# Allegro board WeChat_ZM_PART_20200601.brd (continued)
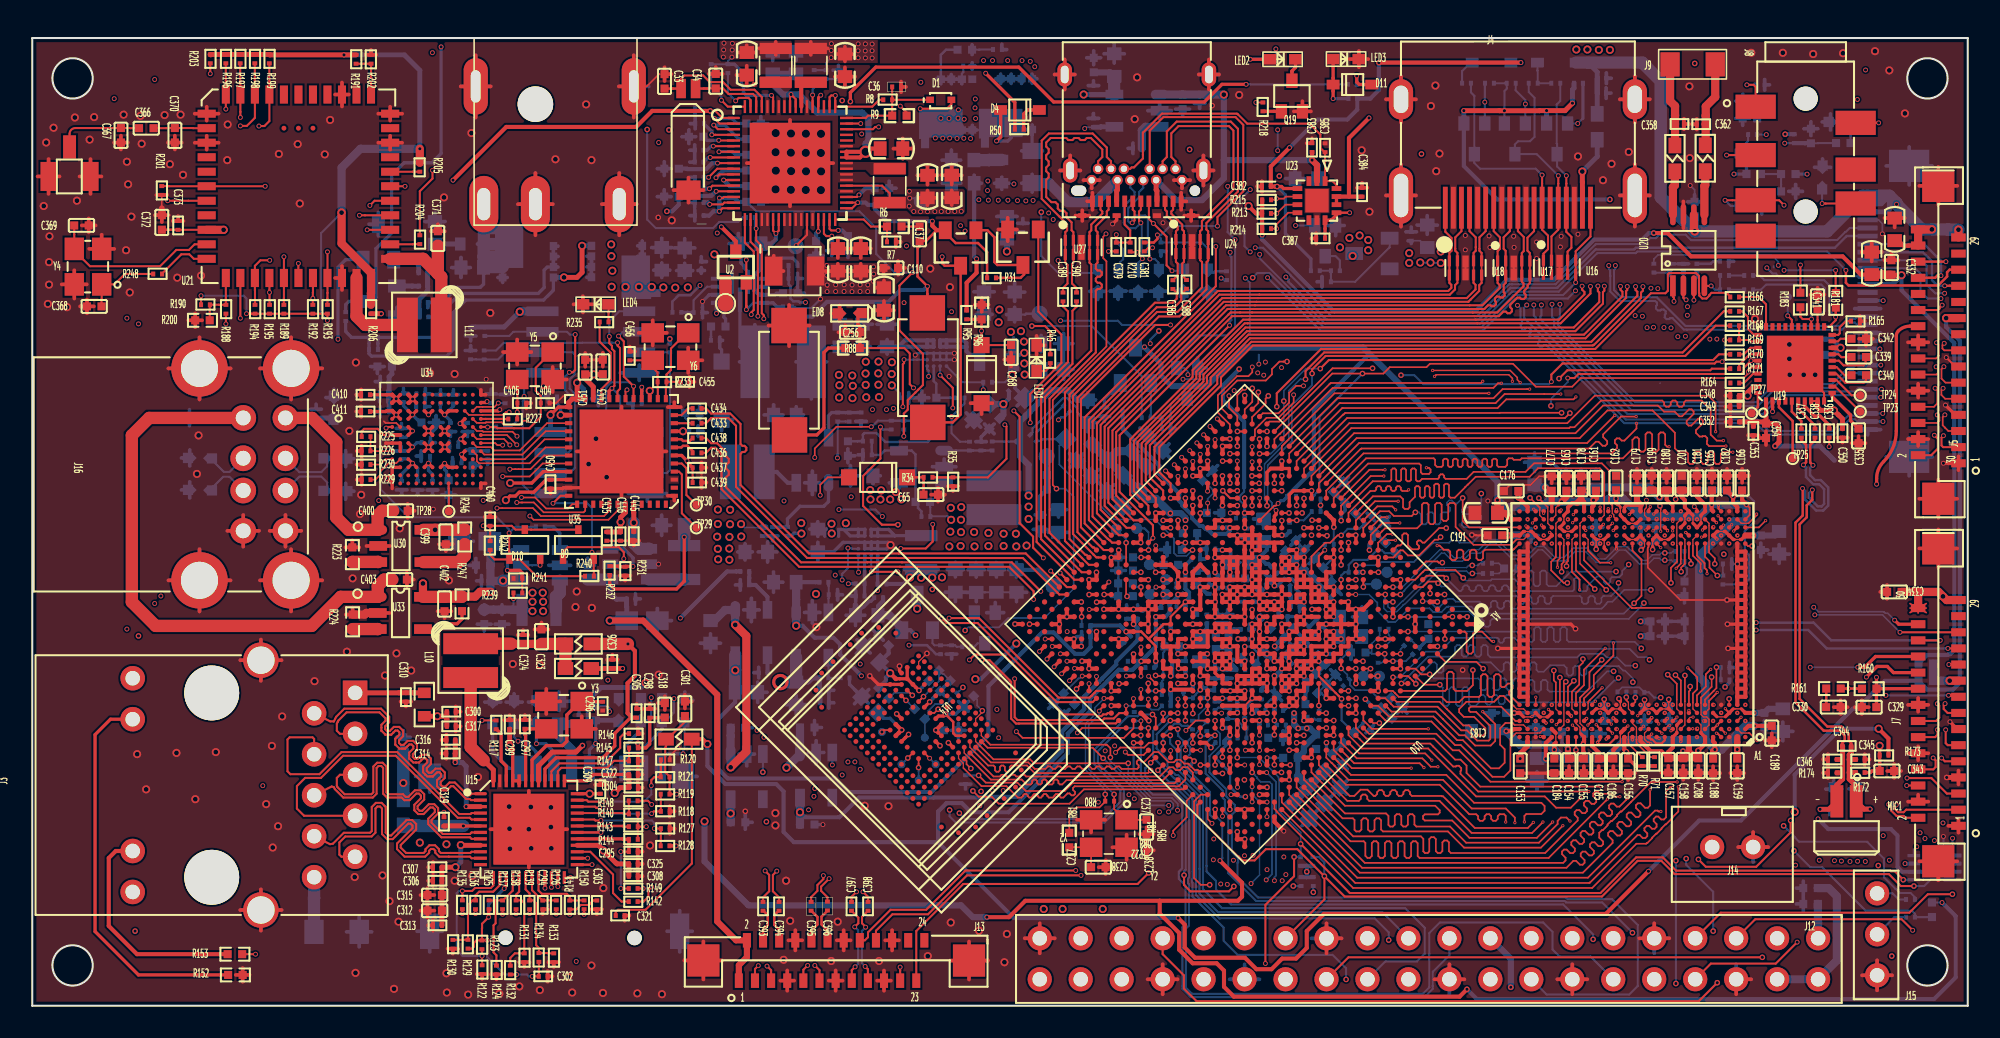
[diagram p0: board, top side]
## Routing (per net, layer and track width the routed paths; a pad name or vN(x,y) marks a point on that pad's centre or on a via; arc(x,y) is an arc through that point) (continued)
N64224465: length 5.5
  BOTTOM w0.203: U3.E4 53.09,29.53 53.48,29.14 ; U3.E4 U3.D4 ; U3.E4 U3.E3 U3.D3 U3.D4 ; 53.48,29.14 53.46,29.13 U3.D4 ; 53.48,29.14 L5.1
N64224516: length 2.5
  BOTTOM w0.203: U3.A2 51.62,27.58 51.6,27.57 R10.2 51.6,25.77 51.6,25.77 C46.1 51.6,25.39
N64225662: length 5.6
  BOTTOM w0.254: 57.92,40.86 57.92,40.86 U8.D4 ; 57.92,40.86 57.92,40.58 58.14,40.36 L8.1 ; 57.92,40.86 57.92,41.09 57.75,41.26 U8.E4 ; U8.D4 U8.D3 U8.E3 U8.E4 ; U8.D4 U8.E4
N64225710: length 3.2
  BOTTOM w0.152: R32.2 56.92,37.69 56.91,37.7 C66.1 56.06,38.56 55.88,38.74 U8.A2
N64226582: length 5.6
  BOTTOM w0.203: C45.1 46.44,29.68 46.45,29.68 R12.2 46.82,30.19 47.6,30.97 49.07,30.97 49.37,31.26 U4.1
N64226598: length 3.5
  BOTTOM w0.203: U4.5 49.37,36 49.36,36.01 49.36,36.57 49.57,36.78 C42.2 50.39,36.78 50.4,36.78 R11.2 51.12,36.78 51.13,36.78 R14.1
N64226636: length 2.3
  BOTTOM w0.254: L6.1 46.16,33.1 46.84,32.42 U4.3
N64226676: length 1.9
  BOTTOM w0.127: U5.3 49.36,25.25 49.38,25.27 R17.1 49.38,26.03 49.36,26.04 R15.2
N64226716: length 2
  BOTTOM w0.127: U5.4 49.36,20.55 49.35,20.54 R16.2 49.92,20.33 49.93,20.34 R20.1
N64229510: length 3.1
  BOTTOM w0.254: R29.2 44.45,26.5 44.45,26.49 R30.1 44.84,26.09 45.59,25.35 U7.3
N64229564: length 1.1
  BOTTOM w0.254: U7.4 45.59,20.66 C61.1
N64229672: length 2.1
  TOP w0.152: D2.2 54.25,32.76 R34.1 55.26,32.15 55.26,32.14 C65.1
N64229708: length 7.2
  TOP w0.152: R31.2 61.28,45.13 61.49,45.35 61.49,45.86 Q2.3 59.83,45.93 59.65,46.11 59.65,47.65 59.22,48.08 Q1.1
N64229750: length 22.2
  TOP w0.127: R35.2 59.25,32.76 60.4,33.91 60.4,35.92 v1(60.3,36.02) ; v1(61.87,36.15) 61.87,37.93 63.8,39.86 63.8,41.61 62.37,43.04 Q2.1
  TOP w0.152: R35.2 56.15,32.76 56.14,32.76 R34.2
  SIG2 w0.127: v1(61.87,36.15) 60.85,36.15 60.72,36.02 v1(60.3,36.02)
N64230402: length 22.7
  TOP w0.305: v5(32.97,45.16) 33.78,45.16 34.09,45.47 v5(34.09,47.12)
  BOTTOM w0.203: R42.1 19.43,41.8 19.79,41.44 C71.2 20.88,41.06 R39.2 20.88,40.43 21.04,40.27 25.69,40.27 26.1,40.69 26.1,42.98 26.88,43.75 31.7,43.75 32.31,44.37 Q3.4
  BOTTOM w0.305: v5(32.97,45.16) 32.32,45.16 Q3.4 ; Q4.4 v5(34.09,47.12)
N64230404: length 19.1
  BOTTOM w0.203: R39.1 21.43,41.06 21.43,41.06 C71.1 25.36,41.44 25.65,41.73 25.65,43.27 26.55,44.16 31.37,44.16 31.74,44.53 31.74,45.61 31.93,45.8 Q3.3
  BOTTOM w0.229: 32.6,47.1 Q3.1 32.31,46.8 ; 34.67,45.52 Q4.2 ; Q4.2 34.39,45.82 ; Q4.2 34.67,46.12 ; 34.67,45.47 Q4.1 34.39,45.17 ; 34.67,46.17 Q4.3 34.39,46.47 ; Q3.2 32.31,46.75 ; Q3.2 32.31,46.15 ; Q3.2 32.6,46.45 ; 32.31,46.1 Q3.3 32.6,45.8
N64230412: length 3
  BOTTOM w0.305: R38.2 24.01,43.14 23.98,43.17 R40.1 23.98,43.79 24.52,44.33 R43.1 24.51,44.63 R46.2
N64230532: length 1.4
  BOTTOM w0.305: R43.2 23.56,44.62 23.56,44.62 Q5.1
N64230558: length 2.2
  BOTTOM w0.305: R46.1 23.96,45.94 23.64,46.26 Q6.1
N64230709: length 1.6
  BOTTOM w0.305: R37.2 25.57,47.23 25.57,47.22 C78.1
N64231150: length 9.4
  BOTTOM w0.127: R49.1 57.73,57.88 57.63,57.79 Q8.3
  BOTTOM w0.152: Q8.1 56.33,58.96 56.65,59.28 C84.1
  BOTTOM w0.203: Q8.1 56.68,57.45
  BOTTOM w0.229: 56.98,57.16 Q8.2 ; Q8.2 56.98,57.73 ; Q8.2 57.28,57.45 ; Q8.2 56.68,57.45 ; 60.69,57.19 Q7.2 ; Q7.2 60.39,57.48 ; Q7.2 60.99,57.48 ; Q7.2 60.69,57.76 ; 61.34,57.19 Q7.3 ; Q7.3 61.34,57.76 ; Q7.3 61.04,57.48 ; 57.33,57.45 Q8.3 57.63,57.16 ; 59.74,57.48 Q7.1 ; Q7.1 60.04,57.76 ; Q7.1 60.34,57.48 ; Q7.1 60.04,57.19 ; 56.03,57.45 Q8.1 56.33,57.16
N64231196: length 9.7
  TOP w0.203: D4.1 60.04,53.87 v1(59.79,53.61)
  BOTTOM w0.203: 61.99,54.04 61.99,53.99 61.99,53.99 R47.2 ; 60.69,54.04 60.69,53.82 60.49,53.61 v1(59.79,53.61) 60.05,53.88 60.05,54.4 Q7.8
  BOTTOM w0.229: Q7.7 60.99,54.33 ; Q7.7 60.69,54.04 ; Q7.7 60.69,54.61 ; Q7.7 60.39,54.33 ; Q7.6 61.64,54.33 ; Q7.6 61.34,54.61 ; Q7.6 61.34,54.04 ; Q7.6 61.04,54.33 ; Q7.5 61.99,54.61 ; Q7.5 61.99,54.04 ; Q7.5 61.69,54.33 ; 61.34,53 R47.2 62.64,53
N64231262: length 2
  TOP w0.203: D4.2 61.94,55.54 61.93,55.54 61.72,55.54 61.47,55.29 R50.1
N64231276: length 1.7
  BOTTOM w0.762: C85.1 59.31,52.43 59.33,52.44 R48.2
N64231695: length 2.8
  BOTTOM w0.127: Q10.1 55.81,22.48 55.94,22.35 R54.2 56.78,22.35 56.78,22.35 C93.1 57.21,22.35 57.31,22.26 R56.1
N64231811: length 0.9
  BOTTOM w0.127: Q13.3 58.62,22.47 58.4,22.26 R56.2
N64232074: length 3.5
  BOTTOM w0.127: Q11.1 69.35,36.69 69.33,36.67 R55.2 R57.1 70.03,35.99 70.03,35.98 C94.1
N64232100: length 2
  BOTTOM w0.127: R57.2 70.58,37.28 70.94,37.64 Q14.3
N64232695: length 9.7
  SIG2 w0.127: v1(42.42,42.93) 42.6,42.75 43.35,42.75 44.22,43.62 47.72,43.62 47.72,43.61 v1(47.94,43.61)
  BOTTOM w0.152: C82.1 46.89,44.74 47.01,44.62 47.01,43.85 47.19,43.67 47.52,43.67 47.58,43.61 v1(47.94,43.61)
  BOTTOM w0.203: R44.2 46.89,45.47 C82.1
  BOTTOM w0.254: U9.9 v1(42.42,42.93)
N64232844: length 0.9
  BOTTOM w0.152: R36.2 42.09,41.49 42.07,41.48 C69.1
N64232846: length 9.2
  BOTTOM w0.203: D3.2 42.74,40.67 42.62,40.78 C69.2 ; U9.7 43.87,40.85 L9.1
  BOTTOM w0.229: 44.8,42.22 L9.1 43.85,39.92 ; 42.62,41.45 C69.2 42.8,41.25
N64232856: length 1.6
  BOTTOM w0.203: R36.1 42.99,42.59 42.88,42.69 42.88,43.09 43.17,43.38 U9.8
N64232909: length 3.3
  BOTTOM w0.127: C79.1 41,43.75 41.83,44.58 U9.11
  BOTTOM w0.203: R41.2 40.64,42.99 40.65,42.98 C79.1
N64232933: length 3.4
  BOTTOM w0.203: R44.1 47.44,46.06 47.16,46.35 46.37,46.35 46.17,46.15 46.17,45.29 45.96,45.08 U9.3
N64233102: length 1.2
  TOP w0.127: LED1.1 62.82,39.35 63.12,39.65 R45.2
N64233558: length 1.7
  BOTTOM w0.127: Q12.3 80.81,46.48 81.07,46.22 R53.2
N64306095: length 1.8
  BOTTOM w0.102: R58.1 90.92,27.44 C148.2 90.95,26.8 R59.1
N64307956: length 2.5
  BOTTOM w0.102: C149.2 82.96,21.9 83.04,21.82 ; 83.04,21.82 83.04,22.45 83.54,22.95 R61.1 ; 83.04,21.82 R60.1
N64308507: length 2
  BOTTOM w0.127: R63.1 R62.1 102.44,27.28 102.59,27.13 102.59,26.77 102.44,26.62 C150.2
N64309052: length 1.6
  BOTTOM w0.102: R65.1 R64.1
  BOTTOM w0.203: C151.2 86.55,22.75 R64.1
N173392270: length 1.9
  TOP w0.203: v1(82.12,57.66) 82.12,57.28 82.28,57.12 82.55,57.12 82.55,57.12 D11.1
  BOTTOM w0.203: R217.2 v1(82.12,57.66)
N173392401: length 1.2
  TOP w0.203: Q19.1 77,55.45 77,55.46 R218.2
N173405121: length 3.2
  TOP w0.203: R247.2 26.64,23.99 26.34,23.68 25.36,23.68 25.03,23.35 U33.4
N173406423: length 3.4
  TOP w0.762: R246.2 26.81,27.88 26.44,27.51 U30.4
N173449780: length 1.3
  TOP w0.762: TP3.1 42.98,44.84 U2.1
N1733334117: length 4.6
  TOP w0.305: J4.18 96.11,51.06 96.1,51.07 v5(96.1,51.72)
  BOTTOM w0.305: v5(96.1,51.72) 97.03,52.65 FB5.1

## Copper pours and planes (outline as drawn; the poured copper is in the pictures)
DVDD3V3_RGMII on POWER1: 28.07,7.45 34.91,7.45 35.76,8.3 35.76,13.35 36.16,13.75 39.88,13.75 40.21,13.42 40.21,8.04 37.42,5.25 28.07,5.25
GND on TOP: 0.25,0.25 0.25,59.75 119.75,59.75 119.75,0.25 ; 118 cut-outs
GND on BOTTOM: 0.25,0.25 0.25,59.75 119.75,59.75 119.75,0.25 ; 77 cut-outs
GND on GND1, GND2, GND: 0.25,0.25 0.25,59.75 119.75,59.75 119.75,0.25
GND on SIG1: 0.25,0.25 0.25,59.75 119.75,59.75 119.75,0.25 ; 127 cut-outs
GND on SIG2: 0.25,0.25 0.25,59.75 119.75,59.75 119.75,0.25 ; 108 cut-outs
V5.0V on BOTTOM: 35.6,47.51 38.04,47.51 38.07,47.48 38.07,46.15 40.86,46.15 41.18,45.83 43.48,45.83 43.55,45.76 43.55,44.19 43.49,44.13 43.25,44.13 43.23,44.15 43.23,45.5 43.17,45.56 42.24,45.56 41.24,44.55 41.22,44.56 40.97,44.3 35.74,44.3 35.59,44.45 35.59,47.51
V5.0V on BOTTOM: 56.12,56.63 58.5,56.63 58.64,56.49 58.64,53.83 58.46,53.65 56,53.65 55.92,53.73 55.92,56.44
V5.0V on BOTTOM: 95.3,59.82 95.3,58.12 98.09,58.12 98.09,59.82
V5.0V on SIG1: 56.01,53.57 55.8,53.78 55.8,56.27 56.06,56.52 63.8,56.52 67.16,59.87 97.74,59.87 98.09,59.52 98.09,55.2 96.47,53.57
V5.0V on POWER1: 119.86,0.26 102,0.26 101.73,0.53 101.73,8.69 103.94,10.93 113.28,10.93 114.92,13.07 114.92,47.55 116.04,48.66 119.67,48.66 119.87,48.46
V5.0V on POWER1: 41.02,47.78 35.36,47.78 31.09,43.52 31.09,30.54 30.35,29.8 24.51,29.8 24.03,29.32 24.03,25.68 24.59,25.13 28.91,25.13 29.67,26.01 33.93,26.01 35.28,24.48 35.28,23.35 37.31,23.35 37.52,23.55 37.52,25.41 33.66,30.43 33.66,37.6 35.1,38.84 35.08,44 41.07,44 41.1,47.63
V5.0V on SIG2: 35.64,47.55 36.78,47.55 39.37,50.14 39.37,52.76 39.93,53.32 55.04,53.32 55.85,54.13 55.85,54.74 57.45,56.34 59.19,56.34 59.19,51.07 56.97,48.85 43.74,48.85 42.88,49.71 41.95,49.71 41.17,48.93 41.17,44.56 40.72,44.1 35.66,44.1 35.53,44.23 35.53,47.45
VBUS_TYPEC on BOTTOM: 58.01,51.67 62.51,51.67 62.71,51.47 62.71,49.79 62.59,49.66 58.01,49.66 57.91,49.76 57.91,51.57
VCC1V8_DDR on TOP: 42.67,59.83 47.03,59.83 47.1,59.76 47.1,58.84 46.94,58.67 42.77,58.67 42.6,58.84 42.6,59.76
VCC1V8_DDR on POWER1: 20.5,0.28 13.07,7.72 13.07,48.13 24.81,59.87 32.56,59.87 32.56,59.87 45.29,59.87 45.29,54.03 28.53,54.03 23.74,49.24 23.74,37.51 23.11,36.89 23.11,35.54 21.03,33.46 21.03,23.6 21.04,23.6 21.04,10.46 26.43,5.07 38.75,5.07 42.82,9.15 81.94,9.15 81.94,9.15 96.21,9.15 101.69,14.62 105.02,14.62 107.11,16.72 107.11,26.67 103.85,29.93 103.85,31.21 103.99,31.35 108.15,31.35 112.49,27 112.49,13.47 110.66,11.07 103.89,11.03 101.72,8.86 101.72,1.07 100.93,0.28 ; 2 cut-outs
VCC1V8_S3 on BOTTOM: 64.98,38.44 64.98,36.89 68.23,36.89 68.23,38.44
VCC3V3_SYS on BOTTOM: 49.3,42.25 49.3,41.58 54.82,41.58 54.82,40.63 53.74,40.63 53.74,38.14 52.94,38.14 52.94,37.43 48.36,37.43 48.36,34.59 46.81,34.59 46.81,42.25
VCC3V3_SYS on BOTTOM: 51.57,33.44 53.03,33.44 53.03,32.79 54.38,32.79 54.38,31.08 51.57,31.08
VCC3V3_SYS on BOTTOM: 50.78,30.39 50.78,28.93 47.38,28.93 47.38,30.39
VCC3V3_SYS on POWER1: 47.42,56.75 41.55,56.75 39.88,55.07 39.88,54.41 38.61,53.14 38.61,48.7 39.32,47.99 39.88,47.99 46.94,40.92 46.94,27.36 43.29,23.72 43.29,23.52 43.61,23.2 47.41,23.2 48.96,24.75 48.96,27.98 49.96,28.99 50.83,28.99 52.78,30.94 54.13,30.94 54.36,31.17 54.36,32.75 53.44,33.66 53.44,41.51 51.41,43.54 48.03,43.54 47.6,43.97 47.6,46.41 48.79,47.6 50.09,47.6 50.09,48.57 49.71,48.95 44.39,48.95 42.28,51.06 42.28,55.27 42.77,55.76 47.42,55.7
VCC_0V9 on BOTTOM: 42.43,34.87 43.97,34.87 43.99,34.85 43.99,30.71 45.41,30.71 45.53,30.59 45.53,29.59 45.46,29.52 44.91,29.52 44.82,29.43 44.82,29.09 44.82,29.08 44.82,27.64 44.54,27.37 42.38,27.37 42.19,27.55 42.19,34.63
VCC_DC on BOTTOM: 27.17,51.46 28.48,51.46 28.93,51.01 28.93,47.83 29.1,47.66 31.26,47.66 31.41,47.51 31.41,44.81 31.33,44.73 27.68,44.73 27.55,44.85 27.55,47.81 27.03,48.34 27.03,51.31
VCC_DC on BOTTOM: 57.98,59.69 57.98,57.2 58.09,57.09 58.69,57.09 58.86,57.26 58.86,58.06 59.13,58.33 61.51,58.33 61.69,58.15 61.69,56.85 61.81,56.74 62.25,56.74 62.4,56.89 62.4,58.71 62.24,58.87 59.1,58.87 58.96,59.01 58.96,59.65 58.85,59.76 58.06,59.76
VCC_DC on SIG1: 26.54,46.87 26.42,47 26.42,59.08 27.21,59.87 61.85,59.87 62.35,59.37 62.35,58.17 60.89,56.7 41.03,56.7 37.51,53.18 31.46,53.18 30.02,51.74 30.02,46.99 29.9,46.87
VCC_DDR on TOP: 47.27,58.45 47.27,59.87 52.43,59.87 52.43,58.45
VCC_DDR on BOTTOM: 83.29,47.99 81.38,47.99 80.82,47.43 80.82,46.82 81.43,46.21 82.52,46.21 83.34,47.02 83.34,47.94
VCC_DDR on POWER1: 86.66,14.71 82.88,18.5 77.55,18.5 77.34,18.7 77.34,20.73 80.52,23.78 80.6,49.01 80.49,44.53 80.35,44.53 80.37,54.32 79.3,56.06 51.53,56.15 49.25,58.43 49.25,59.87 83.95,59.87 84.43,59.87 84.91,59.51 84.96,32.64 96.61,32.64 96.61,31.04 96.44,30.88 89.15,30.88 89.2,16.39 96.37,16.39 96.65,15.91 99.09,15.91 99.09,14.71
VCC_DDRC on BOTTOM: 87.42,47.56 85.07,47.56 84.45,46.94 84.45,46.94 83.54,46.03 83.54,45.29 83.67,45.17 87.53,45.17 87.6,45.24 87.6,47.38
VCC_DDRC on POWER1: 84.99,47.55 84.99,32.8 85.12,32.67 96.62,32.67 96.67,32.62 96.67,31.04 96.44,30.82 89.33,30.82 89.2,30.69 89.2,30.13 89.26,30.08 89.26,16.46 89.74,15.98 106.2,15.98 107.04,16.82 107.04,26.65 103.73,29.96 103.73,41.51 97.64,47.6 85.04,47.6
VCCA1V8_CODEC on POWER1: 112.13,41.71 111.25,41.71 111.1,41.56 111.1,38.39 110.83,38.13 105.94,38.13 105.82,38 105.82,35.74 106.07,35.49 112.25,35.49 112.41,35.65 112.41,41.43
VDD09 on BOTTOM: 27.38,24.11 32,24.11 32,25.86 29.21,25.86 28.37,25.02 27.38,25.02
VDD09 on POWER1: 30.4,25.86 30.4,24.95 29.34,23.88 24.1,23.88 23.57,24.41 23.57,31.86 24.79,33.08 27.61,33.08 28.27,33.74 28.27,37.55 27.76,38.05 24.69,38.05 23.27,36.63 23.27,33.89 21.54,32.16 21.54,23.45 22.63,22.36 32.03,22.36 32.38,22.71 32.38,25.74 32.26,25.86
VDD_CENTER on TOP: 54.12,50.18 54.22,50.29 54.22,50.58 54.29,50.65 57.72,50.65 57.82,50.55 57.82,49.22 57.67,49.07 54.6,49.07 54.27,49.41 52.08,49.41 52.06,49.44 52.06,50.18
VDD_CENTER on POWER1: 79.6,34.16 79.65,24.23 76.94,21.52 76.2,22.25 76.12,27.65 57.43,46.53 51.94,46.56 51.89,46.61 51.89,50.48 51.99,50.58 57.86,50.63 57.86,48.87 63.66,48.95 ; 1 cut-out
VDD_CPU_B on BOTTOM: 54.02,27.47 56.35,27.47 56.51,27.64 56.51,28.55 56.7,28.74 62.17,28.74 62.31,28.6 62.31,26.45 62.13,26.28 61.83,26.28 61.82,26.28 56.53,26.28 56.53,26.27 54.09,26.27 53.98,26.38 53.98,27.43
VDD_CPU_B on POWER1: 62.31,28.73 62.31,23.07 65.62,19.75 69.1,19.75 69.46,19.4 69.47,19.41 74.19,19.41 74.19,20.05 74.17,20.07 75.16,21.06 76.23,21.06 76.73,20.55 76.73,19.82 76.63,19.72 75.41,19.72 75.41,18.75 78.18,18.75 79.63,17.66 79.63,14.78 66.41,14.62 56.52,24.52 56.52,28.71 62.28,28.71
VDD_CPU_L on TOP: 47.96,49.14 48.09,49.14 48.1,49.13 48.1,48.16 49.15,47.11 49.15,44.65 49.1,44.6 48.03,44.6 47.93,44.6 47.87,44.66 47.87,48.06 47.96,48.16
VDD_CPU_L on TOP: 53.22,46.06 53.28,46 53.28,44.59 53.29,44.13 52.17,44.13 47.98,44.13 47.87,44.24 47.87,45.96 47.97,46.06
VDD_CPU_L on POWER1: 47.88,46.13 53.6,46.09 76.05,23.72 76.05,21.29 75.87,21.11 75.11,21.11 73.69,19.69 72.82,19.69 72.16,20.35 72.16,21.04 72.68,21.56 72.68,23.69 72.26,24.11 71.68,24.11 71.35,23.78 70.18,23.78 66.38,27.58 66.38,28.77 51.16,44 47.93,44 47.88,44.05
VDD_GPU on BOTTOM: 58.45,43.41 61.49,43.41 61.65,43.25 61.65,41.87 61.77,41.75 62.79,41.75 63.05,41.49 63.05,39.04 62.84,38.83 61.96,38.83 61.96,38.83 60.46,38.83 60.3,38.99 60.3,41.89 60.09,42.1 58.45,42.1 58.34,42.21 58.34,43.3
VDD_GPU on POWER1: 57.35,43.16 60.4,43.16 76.1,27.46 76.1,24.16 74.96,23.02 74.73,23.25 74.73,23.32 74.68,23.37 74.65,23.37 57.23,40.8 57.23,43.03
VDD_LOG on BOTTOM: 56.64,31.25 64.16,31.25 64.3,31.11 64.3,30.27 64,29.98 62.18,29.98 61.06,28.86 56.74,28.86 56.57,29.04 56.57,31.17
VDD_LOG on POWER1: 56.54,31.2 63.73,31.2 66.17,28.76 66.17,27.18 69.85,23.5 71.37,23.5 71.81,23.93 72.24,23.93 72.69,23.47 72.69,22.05 71.65,22.05 71.07,21.47 67.28,21.47 63.21,25.54 63.21,27.6 61.85,28.96 56.57,28.96 56.46,29.06 56.46,31.12
N64220935 on TOP: 46.56,49.14 47.05,49.14 47.06,49.13 47.06,46.9 47.25,46.71 47.25,44.73 47.08,44.56 45.43,44.56 45.37,44.62 45.37,46.48 46.56,47.68
N64221025 on TOP: 45.09,57.61 47.09,57.61 47.09,56.91 46.73,56.55 46.73,55.35 46.53,55.35 46.53,56.29 45.92,56.9 45.11,56.9 45.09,56.93
N64221084 on TOP: 54.18,52.24 54.18,51.54 54.16,51.51 52.08,51.51 52.08,51.51 51.99,51.51 51.67,51.83 50.09,51.83 50.08,51.83 50.08,52.31 50.09,52.31 54.11,52.31
N64224465 on BOTTOM: 52.69,29.9 53.45,29.9 53.77,29.58 56.11,29.58 56.17,29.52 56.17,28.78 56.12,28.73 53.73,28.73 53.5,28.97 52.69,28.97 52.68,28.98 52.68,29.89
N64224668 on BOTTOM: 55.91,32.79 57.19,32.79 57.67,33.27 61.35,33.27 61.4,33.22 61.4,31.94 61.34,31.88 61.18,31.88 61.08,31.98 55.92,31.98 55.89,32.01 55.89,32.77
N64225662 on BOTTOM: 56.89,40.8 56.98,40.72 57.74,40.72 58.33,40.13 58.33,39.33 58.36,39.31 59.09,39.31 59.16,39.38 59.16,41.49 59.1,41.55 56.92,41.55 56.89,41.53
N64226636 on BOTTOM: 44.7,34.94 46.02,34.94 46.22,34.74 46.22,33.76 46.87,33.11 47.59,33.11 47.69,33.02 47.69,31.92 47.57,31.8 46.68,31.8 46.21,31.33 44.76,31.33 44.69,31.39 44.69,34.93
N64230404 on BOTTOM: 32,47.39 33.41,47.39 33.5,47.3 33.5,46.86 33.63,46.72 34.9,46.72 34.91,46.71 34.91,44.91 33.58,44.91 33.44,45.04 33.44,45.42 33.32,45.54 32.06,45.54 31.99,45.6 31.99,47.38
N64231150 on BOTTOM: 55.99,57.86 57.85,57.86 57.9,57.81 57.9,57.14 58.02,57.02 59.59,57.02 59.66,57.09 59.66,57.79 59.77,57.91 61.5,57.91 61.62,57.78 61.62,56.8 61.54,56.73 56.02,56.73 55.9,56.84 55.9,57.77
N64231196 on BOTTOM: 61.35,52.44 62.57,52.44 62.7,52.57 62.7,53.91 62.32,54.29 62.32,55.92 61.85,56.39 60.22,56.39 59.84,56.01 59.84,54.17 60.04,53.97 60.82,53.97 61.24,53.54 61.24,52.55
N64232846 on BOTTOM: 43.75,43.46 43.98,43.46 44,43.44 44,42.88 44.46,42.42 45.56,42.42 45.79,42.2 45.79,37.67 45.71,37.59 43.87,37.59 43.83,37.63 43.83,39.23 43.66,39.4 42.25,39.4 42.17,39.48 42.17,40.41 42.47,40.71 42.47,41.44 42.54,41.52 43.53,41.52 43.56,41.54 43.56,42.69 43.75,42.88

## Text on the board
Ref Des/Assembly Bottom: R37 | D6 | L5 | R47 | L8 | D3 | R48 | C70 | C78 | C41 | TP2 | C53 | C290 | C89 | C292 | TP4 | TP5 | C91 | C86 | C60 | C43 | C51 | C38 | C85 | C54 | C190 | C3 | C75 | TP6 | C67 | C68 | C218 | C227 | C72 | C73 | C59 | C49 | C76 | C62 | C39 | C40 | C63 | C47 | C64 | C83 | C48 | C167 | Q6 | Q3 | Q8 | Q10 | Q11 | Q9 | Q5 | U9 | Q4 | L9 | U3 | Q7 | U8
Ref Des/Silkscreen Bottom: C71 | R39 | Q6 | R43 | R38 | L6 | R29 | R17 | R12 | C46 | R51 | R28 | C90 | C53 | C290 | C89 | C84 | C292 | TP4 | TP20 | TP19 | TP22 | C57 | R22 | R50 | TP21 | TP18 | Q10 | U6 | R54 | TP17 | L7 | C288 | TP5 | C92 | R83 | C91 | R92 | R91 | R93 | Q11 | R55 | R98 | R113 | R107 | R110 | R109 | C250 | R108 | R103 | R105 | R104 | C277 | R106 | R112 | R78 | R77 | C87 | C86 | Q9 | R52 | C88 | R69 | R70 | R60 | R61 | R62 | R63 | R67 | R66 | R72 | R73 | C149 | C150 | D6 | Q5 | U13 | U7 | C60 | C43 | U5 | U12 | C51 | C38 | R25 | R26 | C58 | R23 | L5 | C66 | R114 | R116 | C85 | R18 | R21 | R47 | C55 | R19 | C54 | R111 | C248 | C247 | C210 | C213 | R74 | C211 | C214 | C215 | C216 | C197 | C217 | C196 | C198 | C199 | C200 | C195 | C194 | C193 | C191 | C201 | C202 | C203 | C192 | C190 | C293 | R89 | R84 | C235 | C234 | C233 | C232 | R41 | C79 | C253 | C254 | L9 | R30 | C61 | R11 | C44 | C42 | R14 | C245 | C246 | R16 | R15 | C45 | C50 | C52 | C75 | R20 | U3 | R10 | R24 | R13 | U8 | Q7 | R49 | C291 | R33 | C93 | L8 | R56 | TP6 | Q13 | C67 | C68 | R45 | R101 | R102 | R99 | R94 | C94 | C249 | R57 | Q14 | C218 | C227 | C212 | R76 | R53 | Q12 | R79 | C151 | C148 | R58 | R59 | R64 | R65 | R71 | R68 | C224 | C219 | C220 | C221 | C222 | C223 | R42 | C59 | C49 | U4 | C76 | C77 | R27 | C62 | R32 | C39 | C40 | D4 | C63 | R48 | C47 | C56 | C64 | C83 | C48 | R97 | R75 | C174 | C173 | C206 | C209 | C208 | C172 | C171 | C170 | C169 | C207 | C205 | C204 | C168 | C167 | R115 | C289 | R90 | C229 | C228 | C230 | C231
User.Comments: AL30 | 2 | AE19 | AE18 | D20 | D19 | AE14 | AE13
Ref Des/Assembly Top: SW2 | D2 | D5 | SW1 | U11 | TP3 | C7 | C8 | C175 | C160 | C183 | C5 | C4 | C152 | Q1 | L1 | Q2 | U14 | U10
Ref Des/Silkscreen Top: R80 | Y2 | C237 | C238 | R81 | R85 | C183 | U14 | U10
COMPVAL_TYPE_TOP: FIGURE | SIZE | 7.8 | 7.874 | 11.811 | 15.748 | 20.0 | 25.0 | 35.429 | 35.433 | 36.22 | 66.929 | 86.61 | 90.551 | 133.858 | 25.591 | 59.059 | 42.996x19.0 | 66.929x35.433 | 78.74x23.618 | 78.74x31.488 | 106.299x35.433 | 37.008x25.0 | DRILL CHART: TOP to BOTTOM | ALL UNITS ARE IN MILS | PLATED | NON-PLATED | QTY | 596 | 747 | 327 | 2 | 12 | 17 | 1 | 43 | 14 | 8 | 4 | 3
COMPVAL_TYPE_BOTTOM: FIGURE | SIZE | 7.874 | DRILL CHART: SIG1 to SIG2 | ALL UNITS ARE IN MILS | PLATED | QTY | 17
User.5: FIGURE | SIZE | 3.94 | DRILL CHART: TOP to POWER1 | ALL UNITS ARE IN MILS | PLATED | QTY | 177
User.6: FIGURE | SIZE | 3.94 | 7.874 | DRILL CHART: TOP to GND1 | ALL UNITS ARE IN MILS | PLATED | QTY | 45 | 1
User.7: FIGURE | SIZE | 7.874 | DRILL CHART: GND to BOTTOM | ALL UNITS ARE IN MILS | PLATED | QTY | 1
